# Altium PCB PCB1.PcbDoc (part 13 of 15)
Units mil, origin at the board's own origin, x right, y up, seen from the top; angles counter-clockwise.
Board outline 9210.27 x 4350.4 mil, 4 copper layers (Top Layer, Layer 1, Layer 2, Bottom Layer), stack 23.756 mil thick; 1550 components, 1731 nets, 5200 pads, 1882 vias.
Unrouted connection lines stored in the file: 605.
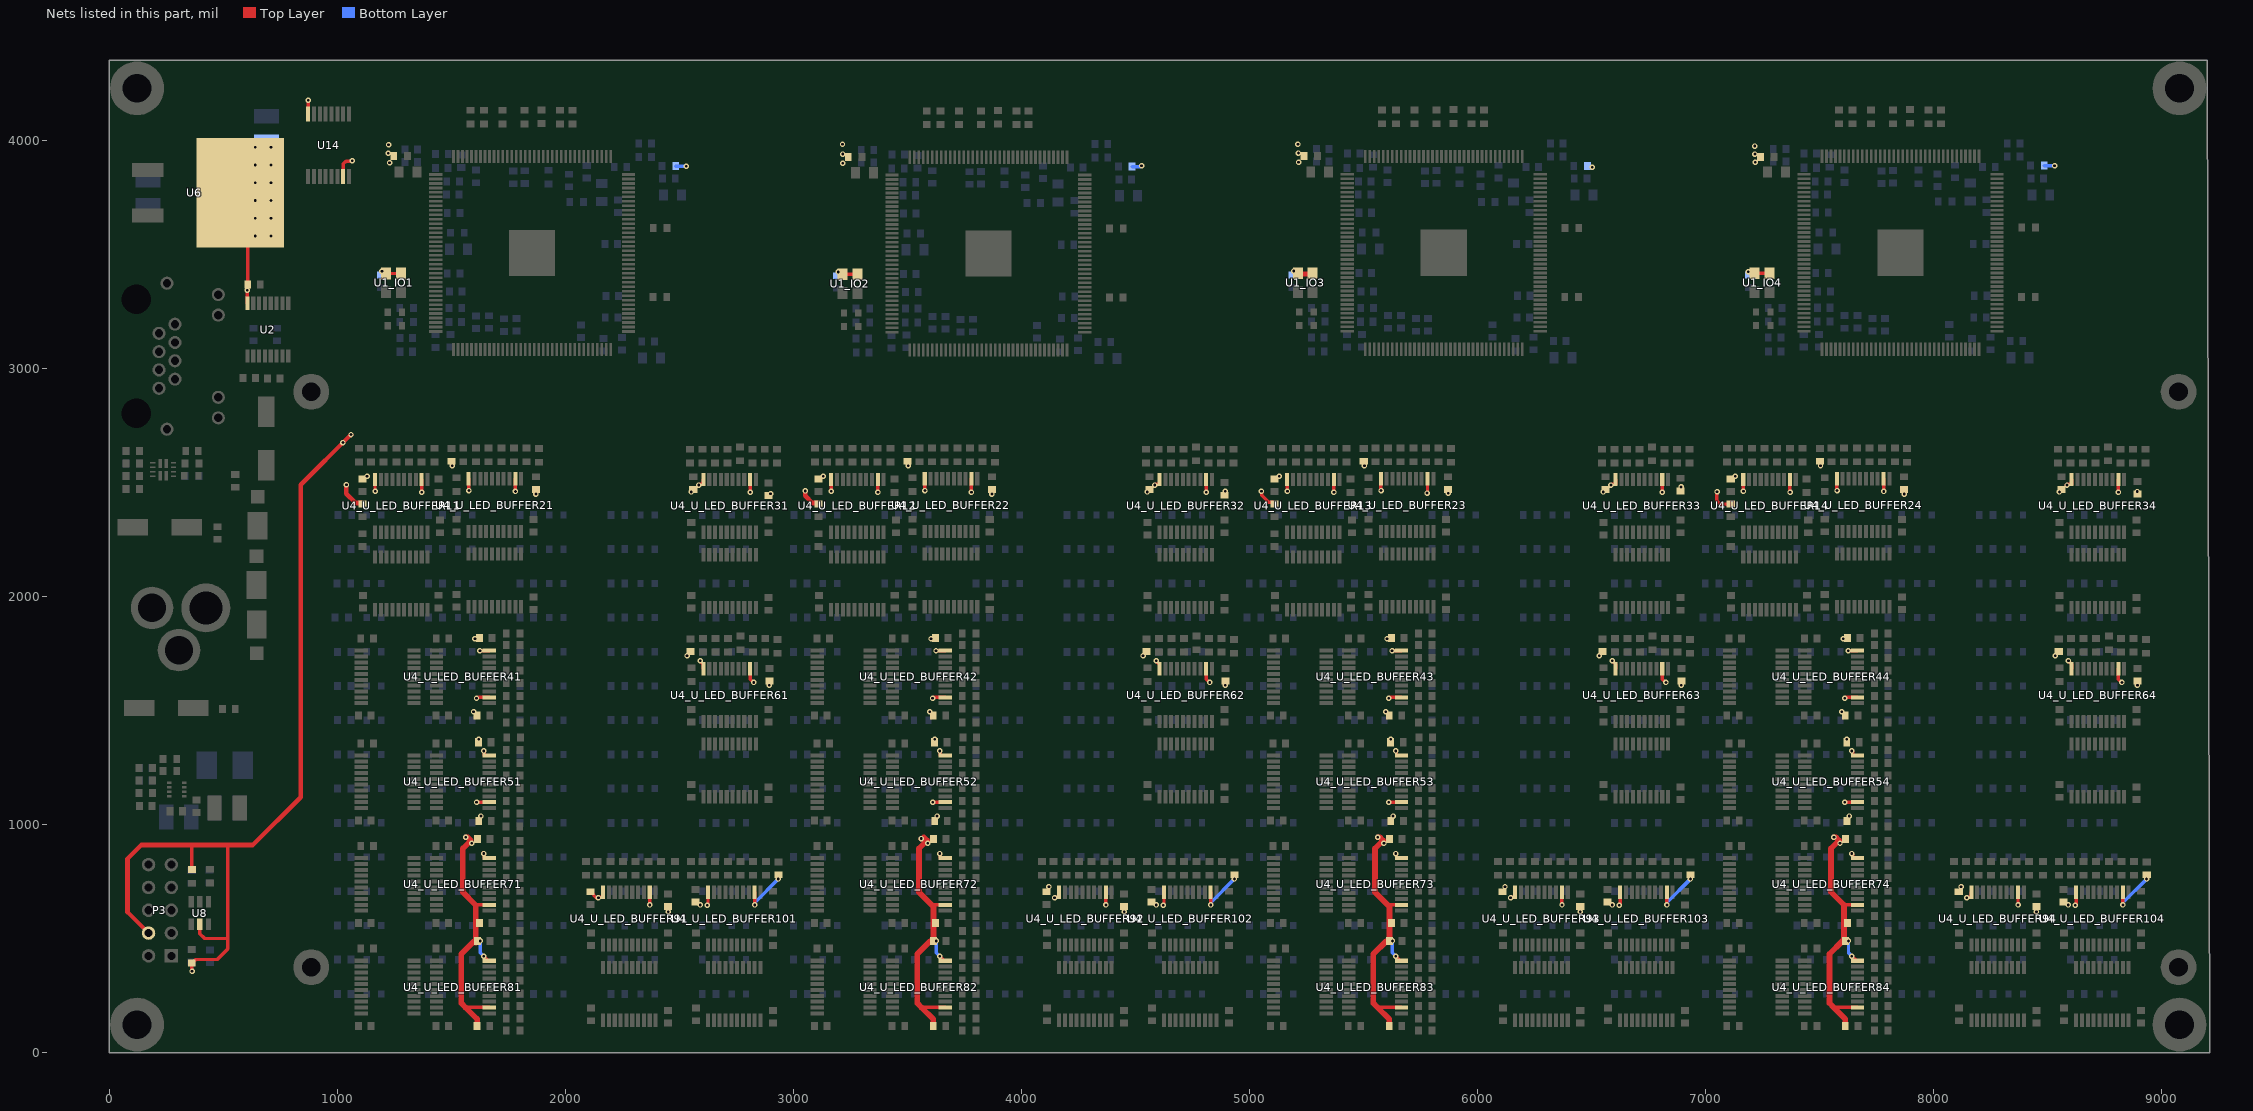
[diagram p15: the nets of this part, all layers, seen from the top]

## Via types
v1: diameter 24, hole 12, Top Layer to Bottom Layer, 1493 vias
v2: diameter 24, hole 12, Top Layer to Bottom Layer, tented both sides, 389 vias

## Nets (pads, with @x,y where several pads share a name; then routed paths per layer and width w, separated by ;. In a path a pad name is that pad's centre, name@x,y a point inside that pad or via, vN(x,y) a via of type N, cw(c..) or ccw(c..) an arc to the next point about the centre after c; other vN are vias at no path point) (continued)
VCC_3V3: C1_IO1.2 C1_IO2.2 C1_IO3.2 C1_IO4.2 C30.2 C31_U_LED_BUFFER11.2 C31_U_LED_BUFFER12.2 C31_U_LED_BUFFER13.2 C31_U_LED_BUFFER14.2 C31_U_LED_BUFFER21.2 C31_U_LED_BUFFER22.2 C31_U_LED_BUFFER23.2 C31_U_LED_BUFFER24.2 C31_U_LED_BUFFER31.2 C31_U_LED_BUFFER32.2 C31_U_LED_BUFFER33.2 C31_U_LED_BUFFER34.2 C31_U_LED_BUFFER41.2 C31_U_LED_BUFFER42.2 C31_U_LED_BUFFER43.2 C31_U_LED_BUFFER44.2 C31_U_LED_BUFFER51.2 C31_U_LED_BUFFER52.2 C31_U_LED_BUFFER53.2 C31_U_LED_BUFFER54.2 C31_U_LED_BUFFER61.2 C31_U_LED_BUFFER62.2 C31_U_LED_BUFFER63.2 C31_U_LED_BUFFER64.2 C31_U_LED_BUFFER71.2 C31_U_LED_BUFFER72.2 C31_U_LED_BUFFER73.2 C31_U_LED_BUFFER74.2 C31_U_LED_BUFFER81.2 C31_U_LED_BUFFER82.2 C31_U_LED_BUFFER83.2 C31_U_LED_BUFFER84.2 C31_U_LED_BUFFER91.2 C31_U_LED_BUFFER92.2 C31_U_LED_BUFFER93.2 C31_U_LED_BUFFER94.2 C31_U_LED_BUFFER101.2 C31_U_LED_BUFFER102.2 C31_U_LED_BUFFER103.2 C31_U_LED_BUFFER104.2 C33_U_LED_BUFFER11.2 C33_U_LED_BUFFER12.2 C33_U_LED_BUFFER13.2 C33_U_LED_BUFFER14.2 C33_U_LED_BUFFER21.2 C33_U_LED_BUFFER22.2 C33_U_LED_BUFFER23.2 C33_U_LED_BUFFER24.2 C33_U_LED_BUFFER31.2 C33_U_LED_BUFFER32.2 C33_U_LED_BUFFER33.2 C33_U_LED_BUFFER34.2 C33_U_LED_BUFFER41.2 C33_U_LED_BUFFER42.2 C33_U_LED_BUFFER43.2 C33_U_LED_BUFFER44.2 C33_U_LED_BUFFER51.2 C33_U_LED_BUFFER52.2 C33_U_LED_BUFFER53.2 C33_U_LED_BUFFER54.2 C33_U_LED_BUFFER61.2 C33_U_LED_BUFFER62.2 C33_U_LED_BUFFER63.2 C33_U_LED_BUFFER64.2 C33_U_LED_BUFFER71.2 C33_U_LED_BUFFER72.2 C33_U_LED_BUFFER73.2 C33_U_LED_BUFFER74.2 C33_U_LED_BUFFER81.2 C33_U_LED_BUFFER82.2 C33_U_LED_BUFFER83.2 C33_U_LED_BUFFER84.2 C33_U_LED_BUFFER91.2 C33_U_LED_BUFFER92.2 C33_U_LED_BUFFER93.2 C33_U_LED_BUFFER94.2 C33_U_LED_BUFFER101.2 C33_U_LED_BUFFER102.2 C33_U_LED_BUFFER103.2 C33_U_LED_BUFFER104.2 C42.2 L1_POWER1.1 L1_POWER2.1 L1_POWER3.1 L1_POWER4.1 L3_POWER1.1 L3_POWER2.1 L3_POWER3.1 L3_POWER4.1 P3.4 R10.1 R11.1 U1_IO1.1 U1_IO1.4 U1_IO2.1 U1_IO2.4 U1_IO3.1 U1_IO3.4 U1_IO4.1 U1_IO4.4 U2.16 U4_U_LED_BUFFER11.2 U4_U_LED_BUFFER11.10 U4_U_LED_BUFFER12.2 U4_U_LED_BUFFER12.10 U4_U_LED_BUFFER13.2 U4_U_LED_BUFFER13.10 U4_U_LED_BUFFER14.2 U4_U_LED_BUFFER14.10 U4_U_LED_BUFFER21.2 U4_U_LED_BUFFER21.10 U4_U_LED_BUFFER22.2 U4_U_LED_BUFFER22.10 U4_U_LED_BUFFER23.2 U4_U_LED_BUFFER23.10 U4_U_LED_BUFFER24.2 U4_U_LED_BUFFER24.10 U4_U_LED_BUFFER31.2 U4_U_LED_BUFFER31.10 U4_U_LED_BUFFER32.2 U4_U_LED_BUFFER32.10 U4_U_LED_BUFFER33.2 U4_U_LED_BUFFER33.10 U4_U_LED_BUFFER34.2 U4_U_LED_BUFFER34.10 U4_U_LED_BUFFER41.2 U4_U_LED_BUFFER41.10 U4_U_LED_BUFFER42.2 U4_U_LED_BUFFER42.10 U4_U_LED_BUFFER43.2 U4_U_LED_BUFFER43.10 U4_U_LED_BUFFER44.2 U4_U_LED_BUFFER44.10 U4_U_LED_BUFFER51.2 U4_U_LED_BUFFER51.10 U4_U_LED_BUFFER52.2 U4_U_LED_BUFFER52.10 U4_U_LED_BUFFER53.2 U4_U_LED_BUFFER53.10 U4_U_LED_BUFFER54.2 U4_U_LED_BUFFER54.10 U4_U_LED_BUFFER61.2 U4_U_LED_BUFFER61.10 U4_U_LED_BUFFER62.2 U4_U_LED_BUFFER62.10 U4_U_LED_BUFFER63.2 U4_U_LED_BUFFER63.10 U4_U_LED_BUFFER64.2 U4_U_LED_BUFFER64.10 U4_U_LED_BUFFER71.2 U4_U_LED_BUFFER71.10 U4_U_LED_BUFFER72.2 U4_U_LED_BUFFER72.10 U4_U_LED_BUFFER73.2 U4_U_LED_BUFFER73.10 U4_U_LED_BUFFER74.2 U4_U_LED_BUFFER74.10 U4_U_LED_BUFFER81.2 U4_U_LED_BUFFER81.10 U4_U_LED_BUFFER82.2 U4_U_LED_BUFFER82.10 U4_U_LED_BUFFER83.2 U4_U_LED_BUFFER83.10 U4_U_LED_BUFFER84.2 U4_U_LED_BUFFER84.10 U4_U_LED_BUFFER91.2 U4_U_LED_BUFFER91.10 U4_U_LED_BUFFER92.2 U4_U_LED_BUFFER92.10 U4_U_LED_BUFFER93.2 U4_U_LED_BUFFER93.10 U4_U_LED_BUFFER94.2 U4_U_LED_BUFFER94.10 U4_U_LED_BUFFER101.2 U4_U_LED_BUFFER101.10 U4_U_LED_BUFFER102.2 U4_U_LED_BUFFER102.10 U4_U_LED_BUFFER103.2 U4_U_LED_BUFFER103.10 U4_U_LED_BUFFER104.2 U4_U_LED_BUFFER104.10 U6.4 U8.5 U14.7 U14.16 | length 14521.4
  Top Layer w7: 1606.69,646.37 1607.91,647.6 ; 3606.69,646.37 3607.91,647.6 ; 5606.69,646.37 5607.91,647.6 ; 7607.42,647.1 7607.91,647.6
  Top Layer w15: R11.1@361.77,802.47 362.02,802.72 362.02,910.52 ; v1(362.98,356.12) 362.32,356.78 362.32,391.61 R10.1@361.67,392.27 364.17,392.27 379.84,407.94 473.94,407.94 520,454 520,909.38 520.62,910 ; U8.5@397.57,562.26 397.15,561.84 397.15,521.44 418.59,500 511.21,500 ; U6.4@574.13,3770.31 607.18,3737.27 C42.2@607.18,3367.07 605.77,3365.66 U2.16@605.77,3285.63 ; U14.16@872.27,4115.81 872.27,4176.72 v1@872.34,4176.78 ; U14.7@1025.81,3841.16 1025.81,3896.63 1038.03,3908.84 1064.19,3908.84 v1(1065.92,3910.57) ; U4_U_LED_BUFFER11.10@1165.47,2512.83 1165.47,2461.78 v1(1166.51,2460.74) ; U1_IO1.1@1214.35,3416.2 U1_IO1.4@1279.31,3416.2 ; U4_U_LED_BUFFER11.2@1370.2,2512.83 1370.2,2463.99 v1@1372.89,2461.3 ; 1562.24,197.6 U4_U_LED_BUFFER81.2@1666.3,197.6 ; U4_U_LED_BUFFER21.10@1576.07,2516.17 1576.07,2465.12 v1(1577.11,2464.08) ; 1607.91,647.6 U4_U_LED_BUFFER71.2@1666.3,647.6 ; v1@1614.76,1094.9 1617.46,1097.6 U4_U_LED_BUFFER51.2@1666.3,1097.6 ; v1@1614.76,1554.9 1617.46,1557.6 U4_U_LED_BUFFER41.2@1666.3,1557.6 ; v1@1624.36,1761.28 1625.4,1762.32 1625.6,1762.12 1666.1,1762.12 U4_U_LED_BUFFER41.10@1666.3,1762.32 ; v1@1640.63,876.71 1640.63,871.3 1644.77,867.17 1644.77,853.68 1646.12,852.32 U4_U_LED_BUFFER71.10@1666.3,852.32 ; v1@1640.63,1326.71 1640.63,1321.3 1644.77,1317.17 1644.77,1303.68 1646.12,1302.32 U4_U_LED_BUFFER51.10@1666.3,1302.32 ; v1(1641.82,422.56) 1662.05,402.32 U4_U_LED_BUFFER81.10@1666.3,402.32 ; U4_U_LED_BUFFER21.2@1780.79,2516.17 1780.79,2467.33 v1@1783.49,2464.64 ; C33_U_LED_BUFFER91.2@2110.63,704.72 2138.19,677.16 2146.49,677.16 2150.63,681.3 2164.12,681.3 2165.47,682.66 U4_U_LED_BUFFER91.10@2165.47,702.83 ; U4_U_LED_BUFFER91.2@2370.2,702.83 2370.2,653.99 v1@2372.89,651.3 ; v1@2581.08,2487.16 2586.49,2487.16 2590.63,2491.3 2604.12,2491.3 2605.47,2492.66 U4_U_LED_BUFFER31.10@2605.47,2512.83 ; v1(2591.57,1718.26) 2591.57,1716.91 2605.47,1703.01 U4_U_LED_BUFFER61.10@2605.47,1682.83 ; v1(2621.81,646.17) 2625.47,649.83 U4_U_LED_BUFFER101.10@2625.47,702.83 ; U4_U_LED_BUFFER61.2@2810.2,1682.83 2810.2,1636.12 2823.49,1622.83 v1(2826.22,1622.83) ; U4_U_LED_BUFFER31.2@2810.2,2512.83 2810.2,2463.99 v1@2812.89,2461.3 ; U4_U_LED_BUFFER101.2@2830.2,702.83 2830.2,653.99 v1@2832.89,651.3 ; U4_U_LED_BUFFER12.10@3165.47,2512.83 3165.47,2461.78 v1(3166.51,2460.74) ; U1_IO2.1@3207.38,3412.97 U1_IO2.4@3272.34,3412.97 ; U1_IO2.1@3215.45,3413.6 U1_IO2.4@3280.41,3413.6 ; U4_U_LED_BUFFER12.2@3370.2,2512.83 3370.2,2463.99 v1@3372.89,2461.3 ; 3562.24,197.6 U4_U_LED_BUFFER82.2@3666.3,197.6 ; U4_U_LED_BUFFER22.10@3576.07,2516.17 3576.07,2465.12 v1(3577.11,2464.08) ; 3607.91,647.6 U4_U_LED_BUFFER72.2@3666.3,647.6 ; v1@3614.76,1094.9 3617.46,1097.6 U4_U_LED_BUFFER52.2@3666.3,1097.6 ; v1@3614.76,1554.9 3617.46,1557.6 U4_U_LED_BUFFER42.2@3666.3,1557.6 ; v1@3624.36,1761.28 3625.4,1762.32 3625.6,1762.12 3666.1,1762.12 U4_U_LED_BUFFER42.10@3666.3,1762.32 ; v1@3640.63,876.71 3640.63,871.3 3644.77,867.17 3644.77,853.68 3646.12,852.32 U4_U_LED_BUFFER72.10@3666.3,852.32 ; v1@3640.63,1326.71 3640.63,1321.3 3644.77,1317.17 3644.77,1303.68 3646.12,1302.32 U4_U_LED_BUFFER52.10@3666.3,1302.32 ; v1(3641.82,422.56) 3662.05,402.32 U4_U_LED_BUFFER82.10@3666.3,402.32 ; v1@3780.78,2457.23 U4_U_LED_BUFFER22.2@3780.78,2516.15 ; v1@4141.08,677.16 4146.49,677.16 4150.63,681.3 4164.12,681.3 4165.47,682.66 U4_U_LED_BUFFER92.10@4165.47,702.83 ; U4_U_LED_BUFFER92.2@4370.2,702.83 4370.2,653.99 v1@4372.89,651.3 ; v1@4581.08,2487.16 4586.49,2487.16 4590.63,2491.3 4604.12,2491.3 4605.47,2492.66 U4_U_LED_BUFFER32.10@4605.47,2512.83 ; v1(4591.57,1718.26) 4591.57,1716.91 4605.47,1703.01 U4_U_LED_BUFFER62.10@4605.47,1682.83 ; v1(4621.81,646.17) 4625.47,649.83 U4_U_LED_BUFFER102.10@4625.47,702.83 ; U4_U_LED_BUFFER62.2@4810.2,1682.83 4810.2,1636.12 4823.49,1622.83 v1(4826.22,1622.83) ; U4_U_LED_BUFFER32.2@4810.2,2512.83 4810.2,2463.99 v1@4812.89,2461.3 ; U4_U_LED_BUFFER102.2@4830.2,702.83 4830.2,653.99 v1@4832.89,651.3 ; v1(5052.7,2460.86) 5054.42,2459.14 5054.42,2442.79 5084.99,2412.22 5103.13,2412.22 C31_U_LED_BUFFER13.2@5110.63,2404.72 ; U4_U_LED_BUFFER13.10@5165.47,2512.83 5165.47,2461.78 v1(5166.51,2460.74) ; U1_IO3.1@5208.48,3410.37 U1_IO3.4@5273.44,3410.37 ; U1_IO3.1@5212.35,3417.05 U1_IO3.4@5277.31,3417.05 ; U4_U_LED_BUFFER13.2@5370.2,2512.83 5370.2,2463.99 v1@5372.89,2461.3 ; 5562.24,197.6 U4_U_LED_BUFFER83.2@5666.3,197.6 ; U4_U_LED_BUFFER23.10@5576.07,2516.17 5576.07,2465.12 v1(5577.11,2464.08) ; 5607.91,647.6 U4_U_LED_BUFFER73.2@5666.3,647.6 ; v1@5614.76,1094.9 5617.46,1097.6 U4_U_LED_BUFFER53.2@5666.3,1097.6 ; v1@5614.76,1554.9 5617.46,1557.6 U4_U_LED_BUFFER43.2@5666.3,1557.6 ; v1@5624.36,1761.28 5625.4,1762.32 5625.6,1762.12 5666.1,1762.12 U4_U_LED_BUFFER43.10@5666.3,1762.32 ; v1@5640.63,876.71 5640.63,871.3 5644.77,867.17 5644.77,853.68 5646.12,852.32 U4_U_LED_BUFFER73.10@5666.3,852.32 ; v1@5640.63,1326.71 5640.63,1321.3 5644.77,1317.17 5644.77,1303.68 5646.12,1302.32 U4_U_LED_BUFFER53.10@5666.3,1302.32 ; v1(5641.82,422.56) 5662.05,402.32 U4_U_LED_BUFFER83.10@5666.3,402.32 ; v1@5780,2460 5780.79,2460.79 U4_U_LED_BUFFER23.2@5780.79,2516.17 ; v1@6141.08,677.16 6146.49,677.16 6150.63,681.3 6164.12,681.3 6165.47,682.66 U4_U_LED_BUFFER93.10@6165.47,702.83 ; U4_U_LED_BUFFER93.2@6370.2,702.83 6370.2,653.99 v1@6372.89,651.3 ; v1@6581.08,2487.16 6586.49,2487.16 6590.63,2491.3 6604.12,2491.3 6605.47,2492.66 U4_U_LED_BUFFER33.10@6605.47,2512.83 ; v1(6591.57,1718.26) 6591.57,1716.91 6605.47,1703.01 U4_U_LED_BUFFER63.10@6605.47,1682.83 ; v1(6621.81,646.17) 6625.47,649.83 U4_U_LED_BUFFER103.10@6625.47,702.83 ; U4_U_LED_BUFFER63.2@6810.2,1682.83 6810.2,1636.12 6823.49,1622.83 v1(6826.22,1622.83) ; U4_U_LED_BUFFER33.2@6810.2,2512.83 6810.2,2463.99 v1@6812.89,2461.3 ; U4_U_LED_BUFFER103.2@6830.2,702.83 6830.2,653.99 v1@6832.89,651.3 ; v1(7050.73,2458.89) 7050,2458.16 7050,2420 7065.28,2404.72 C31_U_LED_BUFFER14.2@7110.63,2404.72 ; U4_U_LED_BUFFER14.10@7165.47,2512.83 7165.47,2461.78 v1(7166.51,2460.74) ; U1_IO4.1@7215.35,3417.2 U1_IO4.4@7280.31,3417.2 ; U4_U_LED_BUFFER14.2@7370.2,2512.83 7370.2,2463.99 v1@7372.89,2461.3 ; 7562.24,197.6 U4_U_LED_BUFFER84.2@7666.3,197.6 ; U4_U_LED_BUFFER24.10@7576.07,2516.17 7576.07,2465.12 v1(7577.11,2464.08) ; 7607.91,647.6 U4_U_LED_BUFFER74.2@7666.3,647.6 ; v1@7614.76,1094.9 7617.46,1097.6 U4_U_LED_BUFFER54.2@7666.3,1097.6 ; v1@7614.76,1554.9 7617.46,1557.6 U4_U_LED_BUFFER44.2@7666.3,1557.6 ; v1@7624.36,1761.28 7625.4,1762.32 7625.6,1762.12 7666.1,1762.12 U4_U_LED_BUFFER44.10@7666.3,1762.32 ; v1@7640.63,876.71 7640.63,871.3 7644.77,867.17 7644.77,853.68 7646.12,852.32 U4_U_LED_BUFFER74.10@7666.3,852.32 ; v1@7640.63,1326.71 7640.63,1321.3 7644.77,1317.17 7644.77,1303.68 7646.12,1302.32 U4_U_LED_BUFFER54.10@7666.3,1302.32 ; v1(7641.82,422.56) 7662.05,402.32 U4_U_LED_BUFFER84.10@7666.3,402.32 ; U4_U_LED_BUFFER24.2@7780.79,2516.17 7780.79,2460.94 v1(7781.23,2460.5) ; v1@8141.08,677.16 8146.49,677.16 8150.63,681.3 8164.12,681.3 8165.47,682.66 U4_U_LED_BUFFER94.10@8165.47,702.83 ; U4_U_LED_BUFFER94.2@8370.2,702.83 8370.2,653.99 v1@8372.89,651.3 ; v1@8581.08,2487.16 8586.49,2487.16 8590.63,2491.3 8604.12,2491.3 8605.47,2492.66 U4_U_LED_BUFFER34.10@8605.47,2512.83 ; v1(8591.57,1718.26) 8591.57,1716.91 8605.47,1703.01 U4_U_LED_BUFFER64.10@8605.47,1682.83 ; v1(8621.81,646.17) 8625.47,649.83 U4_U_LED_BUFFER104.10@8625.47,702.83 ; U4_U_LED_BUFFER64.2@8810.2,1682.83 8810.2,1636.12 8823.49,1622.83 v1(8826.22,1622.83) ; U4_U_LED_BUFFER34.2@8810.2,2512.83 8810.2,2463.99 v1@8812.89,2461.3 ; U4_U_LED_BUFFER104.2@8830.2,702.83 8830.2,653.99 v1@8832.89,651.3 ; C31_U_LED_BUFFER34.2@8893.04,2448.69 C31_U_LED_BUFFER34.2@8893.67,2449.32
  Top Layer w20: P3.4@172.17,523.87 80,616.04 80,850 140,910 520.62,910 630,910 840,1120 840,2490 v1(1060,2710) ; v1@1040,2490 1040,2450 1080.28,2409.72 1105.63,2409.72 C31_U_LED_BUFFER11.2@1110.63,2404.72 ; v1(3051.54,2462.45) 3052.31,2461.68 3052.31,2441.37 3083.96,2409.72 3105.63,2409.72 C31_U_LED_BUFFER12.2@3110.63,2404.72
  Top Layer w25: v1(1562.96,943.43) 1572.17,943.43 1585.64,929.95 1550.66,894.97 1550.66,702.4 1606.69,646.37 C33_U_LED_BUFFER81.2@1606.69,482.18 ; C31_U_LED_BUFFER81.2@1613.07,117.16 1613.07,146.77 1562.24,197.6 1543.31,216.54 1543.31,431.93 1599.56,488.19 C33_U_LED_BUFFER81.2@1614.17,488.19 ; v1(3560.26,938.01) 3566.75,938.01 3572.17,943.43 3585.64,929.95 3550.66,894.97 3550.66,702.4 3606.69,646.37 3614.17,638.89 C33_U_LED_BUFFER82.2@3614.17,488.19 3599.56,488.19 3543.31,431.93 3543.31,216.54 3562.24,197.6 3613.07,146.77 C31_U_LED_BUFFER82.2@3613.07,117.16 ; v1(5562.96,943.43) 5572.17,943.43 5585.64,929.95 5550.66,894.97 5550.66,702.4 5606.69,646.37 5614.17,638.89 C33_U_LED_BUFFER83.2@5614.17,488.19 5599.56,488.19 5543.31,431.93 5543.31,216.54 5562.24,197.6 5613.07,146.77 C31_U_LED_BUFFER83.2@5613.07,117.16 ; v1(7562.96,943.43) 7572.17,943.43 7585.64,929.95 7550.66,894.97 7550.66,703.86 7607.42,647.1 7607.42,496.05 C33_U_LED_BUFFER84.2@7599.56,488.19 ; C31_U_LED_BUFFER84.2@7613.07,117.16 7613.07,146.77 7562.24,197.6 7543.31,216.54 7543.31,431.93 C33_U_LED_BUFFER84.2@7599.56,488.19 ; C33_U_LED_BUFFER84.2@7614.17,488.19 C33_U_LED_BUFFER84.2@7599.56,488.19
  Bottom Layer w15: v1(1626.96,489.14) 1626.96,437.41 v1(1641.82,422.56) ; L3_POWER1.1@2484.2,3887.77 2484.73,3887.24 2529.89,3887.24 v1(2530.42,3886.71) ; v1(2830.63,647.16) 2830.63,657.43 v1(2934.06,760.86) ; v1(3626.96,489.14) 3626.96,437.41 v1(3641.82,422.56) ; L3_POWER2.1@4485.3,3885.17 4521.25,3885.17 4524.31,3888.23 v1(4526.75,3888.23) ; v1(4830.63,647.16) 4830.63,657.43 v1(4934.06,760.86) ; v1(5626.96,489.14) 5626.96,437.41 v1(5641.82,422.56) ; v1(6830.63,647.16) 6830.63,657.43 v1(6934.06,760.86) ; v1(7626.96,489.14) 7626.96,437.41 v1(7641.82,422.56) ; L3_POWER4.1@8485.2,3888.77 8485.52,3888.44 8530.21,3888.44 v1(8530.54,3888.12) ; v1(8830.63,647.16) 8830.63,657.43 v1(8934.06,760.86)
  other v1: 2451.1,617.16 4451.1,617.16 6451.1,617.16 8451.1,617.16 2370.63,647.16 2591.1,647.16 4370.63,647.16 4591.1,647.16 6370.63,647.16 6591.1,647.16 8370.63,647.16 8591.1,647.16 2145.24,678.35 4145.24,678.35 6145.24,678.35 8145.24,678.35 4120.63,727.16 6120.63,727.16 8120.63,727.16 1641.82,872.56 3641.82,872.56 5641.82,872.56 7641.82,872.56 1589.8,917.32 3589.8,917.32 5589.8,917.32 7589.8,917.32 1629.97,1036.82 3629.97,1036.82 5629.97,1036.82 7629.97,1036.82 1610.63,1097.16 3610.63,1097.16 5610.63,1097.16 7610.63,1097.16 1641.82,1322.56 3641.82,1322.56 5641.82,1322.56 7641.82,1322.56 1619.8,1373.38 3619.8,1373.38 5619.8,1373.38 7619.8,1373.38 1597.69,1494.39 3597.69,1494.39 5597.69,1494.39 7597.69,1494.39 1610.39,1553.1 3610.39,1553.1 5610.39,1553.1 7610.39,1553.1 2894.06,1610.86 4894.06,1610.86 6894.06,1610.86 8894.06,1610.86 2533.66,1740.2 4533.66,1740.2 6533.66,1740.2 8533.66,1740.2 1625.4,1761.91 3625.4,1761.91 5625.4,1761.91 7625.4,1761.91 1603.67,1814.13 3603.67,1814.13 5603.67,1814.13 7603.67,1814.13 1870.95,2448.83 3870.95,2448.83 7870.95,2448.83 2900,2450 5778.85,2453.35 5871.52,2452.76 1370.63,2457.16 2810.63,2457.16 3370.63,2457.16 3780.76,2457.21 4810.63,2457.16 5370.63,2457.16 6810.63,2457.16 7370.63,2457.16 8810.63,2457.16 2552.08,2458.35 4552.08,2458.35 6552.08,2458.35 8552.08,2458.35 1781.23,2460.5 8893.67,2459.92 4893.45,2460.94 6892.75,2480.16 2585.24,2488.35 4585.24,2488.35 6585.24,2488.35 8585.24,2488.35 1040.21,2490.2 1130.63,2527.16 3130.63,2527.16 5130.63,2527.16 7130.63,2527.16 1504.26,2573.54 3504.26,2573.54 5504.26,2573.54 7504.26,2573.54 1024.46,2674.67 605.55,3342.54 3196.93,3423.27 7186.86,3423.48 1195.83,3425.87 5193.83,3426.72 639.61,3580.31 709.61,3580.31 639.61,3658.31 709.61,3658.31 639.61,3736.31 709.61,3736.31 639.61,3814.31 709.61,3814.31 6503.38,3882.38 639.61,3892.31 709.61,3892.31 3216.76,3899.36 1229.31,3901.63 5215.36,3903.62 7218.01,3904.34 3216.56,3939.74 7216.56,3939.74 1223.53,3942.98 5214.94,3944.19 639.61,3970.31 709.61,3970.31 7215.42,3974.94 1224.64,3980.92 3215.46,3983.1 5212.87,3983.43 872.34,4176.28